# KiCad board Oblique Palette 0.5.4 PCB Main.kicad_pcb (continued)
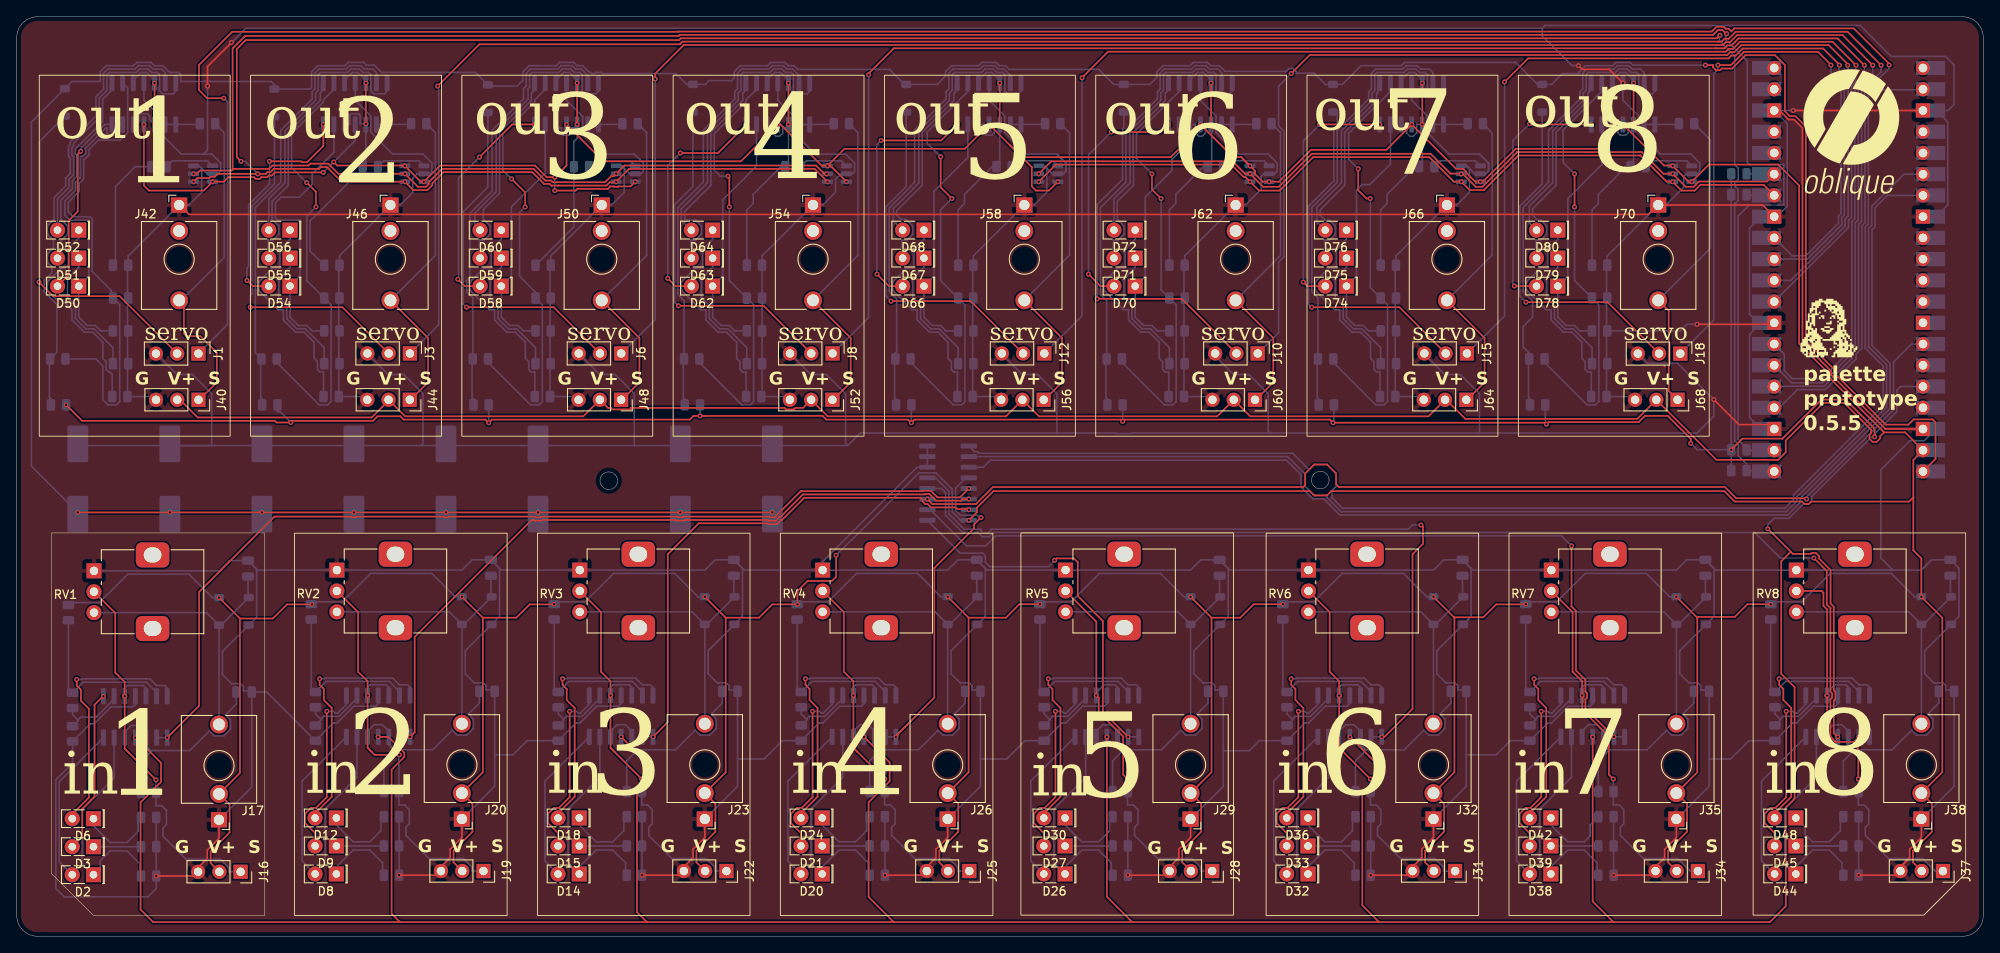
[diagram p0: board, top side]
## Routing (per net, layer and track width the routed paths; a pad name or vN(x,y) marks a point on that pad's centre or on a via; arc(x,y) is an arc through that point) (continued)
/Input 5/ANALOG_CHANNEL: length 46
  Top w0.2: v1(124.01,44.97) 124.25,45.21 126.34,45.21 126.8,44.75 126.8,40.7 129.8,37.7 129.8,26.87 v1(132.82,23.86)
  Bottom w0.2: v1(124.01,44.97) 124.01,44.92 123.3,44.21 116.29,44.21 115.75,44.75 115.75,45.52 115.43,45.83 112.75,45.83 U1.1 ; U7.1 v1(132.82,23.86)
/Input 6/ANALOG_CHANNEL: length 92.9
  Top w0.2: v1(163.11,23.86) 163.45,23.86 166.8,27.2 166.8,45.7 168.05,46.95 168.05,48.95 v1(167.8,49.2)
  Bottom w0.2: U1.5 109.8,54.84 111.4,53.24 111.4,50.52 113.21,48.7 115.2,48.7 115.2,48.55 115.55,48.2 116.05,48.2 116.4,48.55 116.4,48.7 166.3,48.7 166.8,49.2 v1(167.8,49.2) ; v1(163.11,23.86) U8.2
/Input 7/ANALOG_CHANNEL: length 105.8
  Top w0.2: v1(190.87,23.86) 187.46,27.26 187.46,28.36 187.66,28.56 187.66,29.05 187.46,29.25 187.46,30.67 186.33,31.81 186.33,38.93 185.8,39.46 v1(185.8,46.7)
  Bottom w0.2: v1(185.8,46.7) 184.6,47.9 117,47.9 115.8,46.7 113.49,46.7 109.17,51.03 ; U9.1 v1(190.87,23.86)
/Input 8/ANALOG_CHANNEL: length 138.9
  Top w0.2: v1(220.14,23.86) 219.54,23.25 217.35,23.25 216.73,23.87 216.73,28.36 216.93,28.56 216.93,29.05 216.73,29.25 216.73,39.23 216.75,39.25 216.3,39.7 216.3,43.7 v1(214.75,45.25)
  Bottom w0.2: U10.1 v1(220.14,23.86) ; v1(214.75,45.25) 210.75,45.25 207.7,48.3 116.71,48.3 116.21,47.8 115.38,47.8 114.88,48.3 113.04,48.3 111,50.35 111,53.07 110.5,53.57 U1.4
SCL_0: length 337.8
  Top w0.2: v1(96.8,91.2) 96.51,91.2 95.51,92.2 72.62,92.2 v1(71.63,91.21) 71.33,90.91 71.01,90.91 70.3,90.2 64.55,90.2 64.55,90.2 64.05,90.2 63.85,90.4 63.16,90.4 61.76,91.8 50.83,91.8 49.26,90.23 49.26,90.01 48.91,89.66 47.93,89.66 v1(46.38,91.21) 38.44,91.21 37.23,92.42 35.08,92.42 34.87,92.2 30.55,92.2 30.15,91.8 25.9,91.8 25.8,91.7 ; v1(21.13,91.21) 21.51,91.21 21.91,91.6 25.7,91.6 25.8,91.7 ; 25.8,91.7 25.8,106.2 25.9,106.3 25.9,106.3 27.2,107.6 27.2,107.6 27.3,107.7 79.1,107.7 79.22,107.82 202.72,107.82 203.3,108.4 203.83,108.4 204.19,108.04 204.25,108.04 v1(204.33,107.96)
  Bottom w0.2: v1(204.33,107.96) 204.25,107.96 204.22,107.94 204.22,107.28 206.8,104.7 206.8,92.58 207.07,92.31 211.17,92.31 211.17,87.47 207.03,87.47 205.7,86.14 205.7,59.46 206.1,59.05 206.1,58.99 206.8,58.29 ; U2.2 206.77,58.14
SCL_1: length 100.1
  Top w0.2: U2.15 209.14,90.29 201.03,90.29 200.41,89.66 199.43,89.66 v1(197.88,91.21) 196.79,91.21 194.18,93.82 193.85,93.82 193.83,93.8 179.3,93.8 175.16,89.66 174.34,89.66 172.8,91.2 ; v1(122.13,91.21) 123.62,92.7 145.3,92.7 146.8,91.2 147.3,91.2 ; v1(172.62,91.2) 172.62,91.23 171.34,91.23 168.96,93.6 154.76,93.6 150.82,89.66 148.93,89.66 v1(147.38,91.21)
  Bottom w0.2: 209.98,91.2 R1.1
SDA_0: length 332.1
  Top w0.2: v1(96.88,90.26) 95.34,91.8 73.17,91.8 v1(71.63,90.26) ; v1(26.8,92.7) 26.3,93.2 26.3,106.14 27.36,107.2 79.16,107.2 79.38,107.42 203.16,107.42 203.5,107.77 v1(203.52,107.77) ; 71.3,90.2 70.86,90.2 70.46,89.8 64.71,89.8 64.71,89.8 63.88,89.8 63.68,90 63,90 61.6,91.4 51,91.4 49.66,90.06 49.66,89.85 49.07,89.26 47.38,89.26 v1(46.38,90.26) 38.82,90.26 37.06,92.02 36.36,92.02 36.14,91.8 30.72,91.8 30.31,91.4 29.95,91.4 29.75,91.2 v1(28.8,91.2) 23.99,91.2 23.66,90.86 23.16,90.86 23,90.7 21.57,90.7 v1(21.13,90.26)
  Bottom w0.2: v1(26.8,92.7) 27.3,92.7 v1(28.8,91.2) ; 209.92,55.7 R9.2 206.71,56.51 205.7,57.52 205.7,58.89 205.38,59.2 205.3,59.2 205.3,87.7 205.38,87.7 205.7,88.02 205.7,89.39 205.38,89.7 205.3,89.7 205.3,90.2 205.38,90.2 205.7,90.52 205.7,91.89 205.38,92.2 205.3,92.2 205.3,105.3 203.47,107.12 203.47,107.71 v1(203.52,107.77)
SDA_1: length 100.8
  Top w0.2: v1(122.13,90.26) 124.17,92.3 145.13,92.3 146.63,90.8 146.84,90.8 v1(147.38,90.26) 148.44,89.2 150.93,89.2 150.99,89.26 150.99,89.26 154.93,93.2 168.8,93.2 171.74,90.26 v1(172.63,90.26) 173.63,89.26 175.32,89.26 179.46,93.4 194,93.4 194.01,93.42 197.17,90.26 v1(197.88,90.26) 198.94,89.2 200.51,89.2 201.2,89.89 208.75,89.89 U2.14
  Bottom w0.2: U2.14 206.79,88.62
SERVO_1: length 293.1
  Top w0.2: v1(223.75,104.21) 223.75,104.38 219.53,108.6 205.25,108.6 204.9,108.25 204.58,108.56 204.23,108.56 203.99,108.8 203.13,108.8 202.55,108.22 79.05,108.22 79.03,108.2 25.75,108.2 21.77,104.23 21.77,101.27 21.75,101.25 22.75,100.25 v1(24.75,100.25)
  Bottom w0.2: v1(24.75,100.25) 25.2,99.8 25.2,73.19 J1.1 ; v1(223.75,104.21) 223.75,103.82 220.86,100.93 220.86,85.36 220.5,84.99 220.5,70.34 219.8,69.64 219.8,69.07 216.13,65.4 212.8,65.4 210.62,63.22
SERVO_2: length 257.5
  Top w0.2: v1(50.3,101.7) 55.3,106.7 79.23,106.7 79.55,107.02 203.38,107.02 203.39,107.02 203.74,107.02 204.08,107.36 204.08,107.36 204.58,107.36 205.42,108.2 218.78,108.2 v1(222.8,104.19)
  Bottom w0.2: 46.99,69.7 50.42,73.14 50.42,101.58 v1(50.3,101.7) ; 210.06,65.8 215.96,65.8 219.3,69.14 219.3,69.7 220.1,70.5 220.1,85.16 220.46,85.53 220.46,101.1 222.8,103.43 v1(222.8,104.19)
SERVO_3: length 231.2
  Top w0.2: v1(76.3,102.55) 76.3,103.2 79.71,106.62 203.22,106.62 203.9,106.62 204.25,106.96 204.74,106.96 205.59,107.8 218.18,107.8 v1(221.8,104.19)
  Bottom w0.2: v1(76.3,102.55) 76.3,73.76 72.24,69.7 ; U2.6 212.12,66.2 215.8,66.2 218.8,69.2 218.8,69.77 219.7,70.67 219.7,85.33 220.06,85.69 220.06,101.26 221.8,103 v1(221.8,104.19)
SERVO_4: length 205.5
  Top w0.2: v1(220.8,104.19) 217.59,107.4 205.75,107.4 204.91,106.56 204.41,106.56 204.07,106.22 203.05,106.22 203.05,106.22 104.81,106.22 101.8,103.2 v1(101.8,103.05)
  Bottom w0.2: v1(101.8,103.05) 101.8,74.01 97.49,69.7 ; U2.7 211.23,69.63 211.23,67.66 212.18,66.7 215.73,66.7 218.4,69.37 218.4,69.94 219.3,70.84 219.3,85.49 219.66,85.85 219.66,101.43 220.8,102.57 v1(220.8,104.19)
SERVO_5: length 162.6
  Top w0.2: v1(219.8,104.19) 216.99,107 205.92,107 205.08,106.16 204.58,106.16 204.24,105.82 130.41,105.82 v1(127.3,102.7)
  Bottom w0.2: 219.26,86.02 219.26,101.76 219.75,102.25 219.75,104.14 v1(219.8,104.19) ; v1(127.3,102.7) 127.3,74.2 122.8,69.7 ; U2.9 218.9,84.8 218.9,85.66 219.26,86.02
SERVO_6: length 135.2
  Top w0.2: 218.8,104.2 218.75,104.25 218.75,104.38 216.54,106.6 206.08,106.6 205.24,105.76 204.74,105.76 204.4,105.42 154.51,105.42 v1(152.3,103.2)
  Bottom w0.2: v1(152.3,103.2) 150.8,101.7 150.8,96.93 151.42,96.31 151.42,81.27 150.8,80.65 150.8,72.2 148.3,69.7 ; U2.10 211.99,78.46 218.5,84.97 218.5,85.82 218.86,86.19 218.86,104.13 v1(218.8,104.19)
SERVO_7: length 106.2
  Top w0.2: v1(217.8,104.2) 217.8,104.27 215.87,106.2 206.25,106.2 205.41,105.36 204.91,105.36 204.57,105.02 180.61,105.02 v1(177.8,102.2)
  Bottom w0.2: 173.3,69.7 177.8,74.2 v1(177.8,102.2) ; v1(217.8,104.2) 217.75,104.16 217.75,102.25 218.4,101.6 218.4,86.29 218.09,85.99 218.09,85.14 213.96,81 U2.11
SERVO_8: length 80.9
  Top w0.2: v1(216.8,104.2) 216.8,104.25 215.25,105.8 206.42,105.8 204.82,104.2 203.3,104.2 v1(203.3,104.2)
  Bottom w0.2: U2.12 212.16,81.4 213.8,81.4 217.69,85.3 217.69,86.16 218,86.46 218,101.25 216.8,102.45 v1(216.8,104.2) ; J18.1 202.8,73.7 202.8,103.2 203.3,103.7 v1(203.3,104.2)
Vser: length 427.7
  Top w0.2: U2.40 229.3,57.1 229.3,61.48 228.95,61.83 226.68,61.83 226.05,61.2 223.36,61.2 217.2,67.37 217.2,67.8 213.8,71.2 213.8,96.87 212.56,98.1 211.9,98.1 211.3,98.7 211.3,104.21 210.11,105.4 206.58,105.4 204.99,103.8 203.75,103.8 203.55,103.6 203.05,103.6 202.7,103.95 202.7,104.2 v1(201.8,104.2) ; v1(7.3,50.7) v1(90.3,50.7)
  Bottom w0.2: D77.2 181.75,101.9 179.11,104.54 165.86,104.54 165.46,104.14 160.64,104.14 158.4,101.9 D73.2 156.39,101.9 155.04,103.25 152.9,103.25 152.9,103.45 152.55,103.8 152.05,103.8 151.7,103.45 151.68,103.47 144.39,103.47 143.71,104.14 142.69,104.14 142.29,104.54 140.61,104.54 140.21,104.14 136.96,104.14 136.23,103.41 136.23,102.73 135.4,101.9 D65.2 131.1,101.9 129.3,103.7 118.58,103.7 118.14,104.14 117.44,104.14 117.04,104.54 115.36,104.54 114.96,104.14 111.71,104.14 110.99,103.41 110.99,102.89 109.99,101.9 106.1,101.9 104.3,103.7 93.33,103.7 92.89,104.14 92.19,104.14 91.79,104.54 90.11,104.54 89.71,104.14 86.46,104.14 85.74,103.41 85.74,102.64 85.45,102.35 82.75,102.35 82.3,101.9 D61.2 80.05,101.9 78.75,103.2 69.98,103.2 69.85,103.34 69.17,103.34 69.03,103.2 68.71,103.2 68.58,103.34 68.44,103.34 67.64,104.14 66.94,104.14 66.54,104.54 64.86,104.54 64.46,104.14 62.23,104.14 61.21,104.14 60.49,103.41 60.49,102.39 59.8,101.7 56.95,101.7 56.8,101.85 ; 182.34,101.9 183.4,101.9 184.7,103.2 186.73,103.2 186.73,103.41 187.46,104.14 190.71,104.14 191.11,104.54 192.79,104.54 193.12,104.2 v1(201.8,104.2) ; v1(7.3,50.7) 1.75,56.25 1.75,97.4 D1.2 6.6,102.25 9.98,102.25 9.98,103.41 10.71,104.14 13.96,104.14 14.36,104.54 16.04,104.54 16.44,104.14 17.46,104.14 18.27,103.34 19.35,103.34 19.61,103.08 19.61,102.25 22.49,102.25 22.55,102.3 23.05,102.3 23.1,102.25 30.4,102.25 31.3,101.35 35.06,101.35 35.23,101.52 35.23,103.41 35.96,104.14 39.21,104.14 39.61,104.54 41.46,104.54 41.8,104.2 42.74,104.2 43.6,103.34 54.81,103.34 56.37,101.78
  vias: v1(18.3,50.7) v1(29.3,50.7) v1(40.3,50.7) v1(51.3,50.7) v1(62.3,50.7) v1(79.3,50.7)
Net-(D1-K): length 41.2
  Top w0.2: J1.2 12.3,76.57 4.34,76.57 v1(2.66,78.25)
  Bottom w0.2: D1.1 2.75,95.1 2.75,78.25 v1(2.66,78.25)
Net-(D2-A): length 19.2
  Bottom w0.2: U3.7 5.07,18.48 5.07,8.92 D2.2
Net-(D2-K): length 26.5
  Bottom w0.2: D2.1 7.83,8.7 7.83,15.13 11.63,18.93 U3.6 ; 14.7,7.37 14.7,8.69 13.17,10.22 11.17,10.22 9.98,9.02 9.98,8.17
Net-(D3-A): length 19.5
  Top w0.2: 10.3,28.7 9.3,27.7 9.3,16.71 7.83,15.24 7.83,11.92 D3.2
  vias: v1(10.36,28.72)
Net-(D3-K): length 5.9
  Bottom w0.2: 14.85,10.22 14.35,10.72 D3.1
Net-(D4-A): length 34.6
  Bottom w0.2: J17.T D4.2 22.67,38.72 RV1.3 ; C9.1 27.64,40.59 ; 24.42,37.22 D5.1
Net-(D6-A): length 30.5
  Top w0.2: v1(7.17,30.72) 7.17,29.99 7.67,29.49 7.67,28.17 8.62,27.22 8.62,16.6 6.89,14.87 6.63,14.87 D6.2
  Bottom w0.2: v1(7.17,30.72) 7.69,30.72 7.77,30.79 15.9,30.79 16.71,29.99 17.68,29.99 17.98,29.69 U3.14
Net-(D6-K): length 9.1
  Bottom w0.2: 14.5,14.07 14.5,12.54 13.17,11.22 11.17,11.22 9.17,13.22 D6.1
Net-(D8-A): length 19.2
  Bottom w0.2: D8.2 34.1,9.01 34.1,18.57 U4.7
Net-(D8-K): length 27.7
  Bottom w0.2: U4.6 40.66,19.02 36.86,15.22 36.86,8.79 D8.1 38.2,8.31 40.2,10.31 42.2,10.31 43.72,8.78 43.72,7.46
Net-(D9-A): length 21.9
  Top w0.2: D9.2 35.66,12.35 34.46,13.55 34.46,14.65 35.16,15.36 35.75,15.36 37.05,16.66 v1(37.05,26.91)
  Bottom w0.2: v1(37.05,26.91) 37.83,26.91 38.03,26.71 38.34,26.71 39.39,27.76 U4.8
Net-(D9-K): length 5.9
  Bottom w0.2: 43.87,10.31 43.37,10.81 D9.1
Net-(D10-A): length 34.6
  Bottom w0.2: C10.1 56.67,40.68 ; 53.45,37.31 D11.1 ; RV2.3 51.7,38.81 D10.2 J20.T
Net-(D12-A): length 30.5
  Top w0.2: D12.2 35.66,14.96 35.92,14.96 37.65,16.69 37.65,27.31 36.7,28.26 36.7,29.58 36.2,30.08 v1(36.2,30.81)
  Bottom w0.2: v1(36.2,30.81) 36.72,30.81 36.8,30.88 44.93,30.88 45.73,30.08 46.71,30.08 47.01,29.78 U4.14
Net-(D12-K): length 9.1
  Bottom w0.2: D12.1 38.2,13.31 40.2,11.31 42.2,11.31 43.52,12.63 43.52,14.16
Net-(D14-A): length 19.2
  Bottom w0.2: D14.2 63.12,9.01 63.12,18.57 U5.7
Net-(D14-K): length 27.7
  Bottom w0.2: U5.6 69.68,19.02 65.88,15.22 65.88,8.79 D14.1 67.22,8.31 69.22,10.31 71.23,10.31 72.75,8.78 72.75,7.46
Net-(D15-A): length 21.9
  Top w0.2: v1(66.07,26.91) 66.07,16.66 64.77,15.36 64.19,15.36 63.48,14.65 63.48,13.55 64.68,12.35 D15.2
  Bottom w0.2: U5.8 68.41,27.76 67.36,26.71 67.06,26.71 66.86,26.91 v1(66.07,26.91)
Net-(D15-K): length 5.9
  Bottom w0.2: 72.9,10.31 72.4,10.81 D15.1
Net-(D16-A): length 34.6
  Bottom w0.2: J23.T D16.2 80.72,38.81 RV3.3 ; 82.47,37.31 D17.1 ; C11.1 85.69,40.68
Net-(D18-A): length 30.5
  Top w0.2: v1(65.22,30.81) 65.22,30.08 65.72,29.58 65.72,28.26 66.67,27.31 66.67,16.69 64.94,14.96 64.68,14.96 D18.2
  Bottom w0.2: U5.14 76.03,29.78 75.73,30.08 74.76,30.08 73.96,30.88 65.82,30.88 65.74,30.81 v1(65.22,30.81)
Net-(D18-K): length 9.1
  Bottom w0.2: D18.1 67.22,13.31 69.22,11.31 71.22,11.31 72.55,12.63 72.55,14.16
Net-(D20-A): length 19.2
  Bottom w0.2: U6.7 92.15,18.57 92.15,9.01 D20.2
Net-(D20-K): length 27.7
  Bottom w0.2: 101.77,7.46 101.77,8.78 100.25,10.31 98.25,10.31 96.25,8.31 D20.1 94.91,8.79 94.91,15.22 98.71,19.02 U6.6
Net-(D21-A): length 21.9
  Top w0.2: v1(95.1,26.91) 95.1,16.66 93.8,15.36 93.21,15.36 92.51,14.65 92.51,13.55 93.71,12.35 D21.2
  Bottom w0.2: U6.8 97.44,27.76 96.39,26.71 96.08,26.71 95.88,26.91 v1(95.1,26.91)
Net-(D21-K): length 5.9
  Bottom w0.2: 101.92,10.31 101.42,10.81 D21.1
Net-(D22-A): length 34.6
  Bottom w0.2: RV4.3 109.75,38.81 D22.2 J26.T ; C12.1 114.72,40.68 ; 111.5,37.31 D23.1
Net-(D24-A): length 30.5
  Top w0.2: D24.2 93.71,14.96 93.97,14.96 95.7,16.69 95.7,27.31 94.75,28.26 94.75,29.58 94.25,30.08 v1(94.25,30.81)
  Bottom w0.2: v1(94.25,30.81) 94.77,30.81 94.85,30.88 102.98,30.88 103.78,30.08 104.76,30.08 105.06,29.78 U6.14
Net-(D24-K): length 9.1
  Bottom w0.2: D24.1 96.25,13.31 98.25,11.31 100.25,11.31 101.57,12.63 101.57,14.16
Net-(D26-A): length 19.2
  Bottom w0.2: U7.7 121.18,18.57 121.18,9.01 D26.2
Net-(D26-K): length 27.7
  Bottom w0.2: 130.8,7.46 130.8,8.78 129.28,10.31 127.28,10.31 125.28,8.31 D26.1 123.94,8.79 123.94,15.22 127.74,19.02 U7.6
Net-(D27-A): length 21.9
  Top w0.2: v1(124.13,26.91) 124.13,16.66 122.83,15.36 122.24,15.36 121.53,14.65 121.53,13.55 122.74,12.35 D27.2
  Bottom w0.2: U7.8 126.47,27.76 125.42,26.71 125.11,26.71 124.91,26.91 v1(124.13,26.91)
Net-(D27-K): length 5.9
  Bottom w0.2: 130.95,10.31 130.45,10.81 D27.1
Net-(D28-A): length 34.6
  Bottom w0.2: C13.1 143.75,40.68 ; 140.53,37.31 D29.1 ; J29.T D28.2 138.78,38.81 RV5.3
Net-(D30-A): length 30.5
  Top w0.2: v1(123.28,30.81) 123.28,30.08 123.78,29.58 123.78,28.26 124.73,27.31 124.73,16.69 122.99,14.96 122.74,14.96 D30.2
  Bottom w0.2: v1(123.28,30.81) 123.8,30.81 123.87,30.88 132.01,30.88 132.81,30.08 133.78,30.08 134.09,29.78 U7.14
Net-(D30-K): length 9.1
  Bottom w0.2: D30.1 125.28,13.31 127.28,11.31 129.28,11.31 130.6,12.63 130.6,14.16
Net-(D32-A): length 19.2
  Bottom w0.2: D32.2 150.2,9.01 150.2,18.57 U8.7
Net-(D32-K): length 27.7
  Bottom w0.2: U8.6 156.76,19.02 152.96,15.22 152.96,8.79 D32.1 154.3,8.31 156.3,10.31 158.3,10.31 159.83,8.78 159.83,7.46
Net-(D33-A): length 21.9
  Top w0.2: v1(153.15,26.91) 153.15,16.66 151.85,15.36 151.26,15.36 150.56,14.65 150.56,13.55 151.76,12.35 D33.2
  Bottom w0.2: U8.8 155.49,27.76 154.44,26.71 154.13,26.71 153.94,26.91 v1(153.15,26.91)
Net-(D33-K): length 5.9
  Bottom w0.2: D33.1 159.48,10.81 159.98,10.31
Net-(D34-A): length 34.6
  Bottom w0.2: J32.T D34.2 167.8,38.81 RV6.3 ; 169.55,37.31 D35.1 ; C14.1 172.77,40.68
Net-(D36-A): length 30.5
  Top w0.2: v1(152.3,30.81) 152.3,30.08 152.8,29.58 152.8,28.26 153.75,27.31 153.75,16.69 152.02,14.96 151.76,14.96 D36.2
  Bottom w0.2: v1(152.3,30.81) 152.82,30.81 152.9,30.88 161.03,30.88 161.84,30.08 162.81,30.08 163.11,29.78 U8.14
Net-(D36-K): length 9.1
  Bottom w0.2: D36.1 154.3,13.31 156.3,11.31 158.3,11.31 159.63,12.63 159.63,14.16
Net-(D38-A): length 19.2
  Bottom w0.2: U9.7 179.23,18.57 179.23,9.01 D38.2
Net-(D38-K): length 27.7
  Bottom w0.2: U9.6 185.79,19.02 181.99,15.22 181.99,8.79 D38.1 183.33,8.31 185.33,10.31 187.33,10.31 188.85,8.78 188.85,7.46
Net-(D39-A): length 21.9
  Top w0.2: v1(182.18,26.91) 182.18,16.66 180.88,15.36 180.29,15.36 179.59,14.65 179.59,13.55 180.79,12.35 D39.2
  Bottom w0.2: U9.8 184.52,27.76 183.47,26.71 183.16,26.71 182.96,26.91 v1(182.18,26.91)
Net-(D39-K): length 5.9
  Bottom w0.2: D39.1 188.5,10.81 189,10.31
Net-(D40-A): length 34.6
  Bottom w0.2: C15.1 201.8,40.68 ; RV7.3 196.83,38.81 D40.2 J35.T ; 198.58,37.31 D41.1
Net-(D42-A): length 30.5
  Top w0.2: D42.2 180.79,14.96 181.04,14.96 182.78,16.69 182.78,27.31 181.83,28.26 181.83,29.58 181.33,30.08 v1(181.33,30.81)
  Bottom w0.2: v1(181.33,30.81) 181.85,30.81 181.93,30.88 190.06,30.88 190.86,30.08 191.84,30.08 192.14,29.78 U9.14
Net-(D42-K): length 9.4
  Bottom w0.2: D42.1 183.33,13.31 185.33,11.31 187.33,11.31 188.01,11.99 188.01,13.31 R55.1
Net-(D44-A): length 19.2
  Bottom w0.2: D44.2 208.5,9.01 208.5,18.57 U10.7
Net-(D44-K): length 27.7
  Bottom w0.2: 218.13,7.46 218.13,8.78 216.61,10.31 214.6,10.31 212.6,8.31 D44.1 211.26,8.79 211.26,15.22 215.06,19.02 U10.6
Net-(D45-A): length 21.9
  Top w0.2: v1(211.45,26.91) 211.45,16.66 210.15,15.36 209.57,15.36 208.86,14.65 208.86,13.55 210.06,12.35 D45.2
  Bottom w0.2: v1(211.45,26.91) 212.24,26.91 212.44,26.71 212.74,26.71 213.79,27.76 U10.8
Net-(D45-K): length 11.6
  Bottom w0.2: 218.28,10.31 217.78,10.81 D45.1 R61.1
Net-(D46-A): length 34.6
  Bottom w0.2: C16.1 231.07,40.68 ; J38.T D46.2 226.1,38.81 RV8.3 ; 227.85,37.31 D47.1
Net-(D48-A): length 30.5
  Top w0.2: D48.2 210.06,14.96 210.32,14.96 212.05,16.69 212.05,27.31 211.1,28.26 211.1,29.58 210.6,30.08 v1(210.6,30.81)
  Bottom w0.2: U10.14 221.41,29.78 221.11,30.08 220.14,30.08 219.34,30.88 211.2,30.88 211.12,30.81 v1(210.6,30.81)
Net-(D48-K): length 9.1
  Bottom w0.2: D48.1 213.7,13.05 213.7,12.2 214.6,11.31 216.6,11.31 217.93,12.63 217.93,14.16
Net-(D50-A): length 22.6
  Top w0.2: v1(7.64,93.9) 7.3,93.56 7.3,86.7 6.21,85.61 6.21,79.11 D50.2
  Bottom w0.2: U12.7 10.5,97.11 7.64,94.25 v1(7.64,93.9)
Net-(D50-K): length 36.5
  Bottom w0.2: U12.6 11.99,97.11 11.99,96.1 11.73,95.84 11.05,95.84 10.79,96.1 10.79,96.71 10.67,96.71 8.18,94.22 8.24,94.15 8.24,93.65 7.89,93.3 7.6,93.3 7.6,90.77 7.05,90.21 7.05,89.25 5.75,87.95 5.75,86.25 6.33,85.67 8.61,85.67 8.61,78.97 D50.1 7.41,74.06 8.41,73.06 9.41,73.06 10.05,72.42 R73.1
Net-(D51-A): length 24.2
  Bottom w0.2: D51.2 4.87,82.77 6.07,83.98 6.07,84.97 5.36,85.67 5.27,85.67 5.27,88.04 6.65,89.42 6.65,90.38 7.2,90.93 7.2,93.43 6.99,93.63 6.99,94.17 7.2,94.38 10.27,97.45 10.27,100.11 11.19,101.03 11.19,101.86
Net-(D51-K): length 16
  Bottom w0.2: D51.1 7.41,80.02 6.07,78.68 6.07,76.4 7.01,75.46 7.01,73.9 8.24,72.66 9.24,72.66 11.49,70.41 R74.1
Net-(D52-A): length 33.2
  Bottom w0.2: U12.14 19.01,101.09 18.71,100.79 17.4,100.79 17.07,101.12 17.07,103.08 16.81,103.34 16.1,103.34 15.7,103.74 14.69,103.74 14.29,103.34 11.05,103.34 10.79,103.08 10.79,101.19 9.87,100.27 9.87,97.93 6.8,94.86 6.8,94.54 6.59,94.34 6.59,93.47 6.8,93.26 6.8,91.1 6.25,90.55 6.25,89.58 4.87,88.2 D52.2
Net-(D52-K): length 26
  Bottom w0.2: D52.1 7.41,83.53 6.21,82.32 6.21,80.34 5.8,79.93 5.32,79.93 3.67,78.27 3.67,77.28 4.72,76.22 5.32,76.22 6.61,74.93 6.61,73.73 8.08,72.26 9.08,72.26 10.28,71.06 10.28,69.14 10.68,68.74 10.68,67.81 11,67.49 11.17,67.49 11.41,67.25 R75.1
Net-(D53-K): length 42.8
  Top w0.2: v1(27.91,75.25) 38.92,75.25 J3.2
  Bottom w0.2: D53.1 30.8,90.02 28.11,87.34 28.11,76.81 27.91,76.61 v1(27.91,75.25)
Net-(D54-A): length 28.1
  Top w0.2: v1(30.2,92.7) 33.98,92.7 34.08,92.61 34.7,92.61 36.64,94.54 v1(36.64,97.11) ; D54.2 28.23,77.77 27.55,78.45 v1(27.51,78.45)
  Bottom w0.2: v1(27.51,78.45) 27.51,79.92 27.71,80.12 27.71,87.5 30.2,89.99 v1(30.2,92.7)
Net-(D54-K): length 35.3
  Bottom w0.2: U14.6 37.91,93.79 35.31,91.19 35.31,89.95 33.76,88.41 31.59,88.41 30.92,87.74 30.92,85.94 31.18,85.67 33.86,85.67 33.86,78.97 D54.1 32.66,74.06 33.66,73.06 34.66,73.06 35.3,72.42 R84.1
Net-(D55-A): length 24.5
  Bottom w0.2: 36.44,101.86 36.44,101.03 36.26,100.84 36.26,99.98 32.45,96.17 32.45,89.83 30.52,87.9 30.52,85.67 30.61,85.67 31.32,84.97 31.32,83.98 30.61,83.27 30.05,83.27 30.05,82.47 30.12,82.4 D55.2
Net-(D55-K): length 16
  Bottom w0.2: D55.1 32.66,80.02 31.32,78.68 31.32,76.4 32.26,75.46 32.26,73.9 33.49,72.66 34.49,72.66 36.74,70.41 R85.1
Net-(D56-A): length 33
  Bottom w0.2: D56.2 30.12,88.2 32.05,90.13 32.05,96.34 35.71,100 35.71,100.86 36.04,101.19 36.04,103.08 36.3,103.34 39.54,103.34 39.94,103.74 40.95,103.74 41.35,103.34 42.06,103.34 42.32,103.08 42.32,101.12 42.65,100.79 43.96,100.79 44.26,101.09 U14.14
Net-(D56-K): length 26.4
  Bottom w0.2: D56.1 32.66,83.37 31.61,82.32 31.46,82.32 31.46,79.93 30.57,79.93 28.92,78.27 28.92,77.28 31.26,74.93 31.86,74.93 31.86,73.73 33.33,72.26 34.33,72.26 35.53,71.06 35.53,69.14 35.93,68.74 35.93,67.81 36.25,67.49 36.66,67.49 R86.1
Net-(D57-K): length 42.9
  Top w0.2: v1(53.75,75.25) 64.17,75.25 69.7,69.72
  Bottom w0.2: D57.1 56.3,89.61 53.36,86.68 53.36,75.64 v1(53.75,75.25)
Net-(D58-A): length 26.9
  Top w0.2: v1(55.3,93.2) 59.21,97.11 v1(61.89,97.11) ; D58.2 53.54,77.77 v1(52.71,78.6)
  Bottom w0.2: v1(52.71,78.6) 52.8,78.68 52.8,90.7 v1(55.3,93.2)
Net-(D58-K): length 30
  Bottom w0.2: U16.6 63.16,91.3 59.11,87.25 59.11,78.97 D58.1 57.91,74.06 58.91,73.06 59.91,73.06 60.55,72.42 R95.1
Net-(D59-A): length 24.5
  Bottom w0.2: D59.2 55.37,82.4 55.3,82.47 55.3,83.27 55.86,83.27 56.57,83.98 56.57,84.97 55.86,85.67 55.77,85.67 55.77,86.96 57.7,88.89 57.7,96.17 61.51,99.98 61.51,100.84 61.69,101.03 61.69,101.86
Net-(D59-K): length 16
  Bottom w0.2: R96.1 61.99,70.41 59.74,72.66 58.74,72.66 57.51,73.9 57.51,75.46 56.57,76.4 56.57,78.68 57.91,80.02 D59.1
Net-(D60-A): length 33.5
  Bottom w0.2: U16.14 69.51,101.09 69.21,100.79 67.9,100.79 67.57,101.12 67.57,103.08 67.31,103.34 66.6,103.34 66.2,103.74 65.19,103.74 64.79,103.34 61.55,103.34 61.29,103.08 61.29,101.56 61.11,101.38 61.11,100.15 57.3,96.34 57.3,89.05 57.2,88.95 57.2,88.95 55.37,87.12 54.75,86.5 54.75,85.09 D60.2
Net-(D60-K): length 26.4
  Bottom w0.2: D60.1 57.91,83.37 56.86,82.32 56.71,82.32 56.71,79.93 55.82,79.93 54.17,78.27 54.17,77.28 56.51,74.93 57.11,74.93 57.11,73.73 58.58,72.26 59.58,72.26 60.78,71.06 60.78,69.14 61.18,68.74 61.18,67.81 61.5,67.49 61.91,67.49 61.91,64.56
Net-(D61-K): length 43
  Top w0.2: v1(79.08,75.42) 89.25,75.42 J8.2
  Bottom w0.2: v1(79.08,75.42) 78.61,75.88 78.61,87.52 80.8,89.7 80.8,99.05
Net-(D62-A): length 28.3
  Top w0.2: v1(77.8,78.7) 78.73,77.77 80.62,77.77 ; v1(79.3,93.7) 83.8,93.7 87.3,97.2
  Bottom w0.2: v1(77.8,78.7) 77.8,92.2 v1(79.3,93.7)
  vias: v1(87.14,97.11)
Net-(D62-K): length 30
  Bottom w0.2: U18.6 88.41,92.13 84.36,88.08 84.36,78.97 D62.1 83.16,74.06 84.16,73.06 85.16,73.06 85.8,72.42 R106.1
Net-(D63-A): length 26.1
  Bottom w0.2: 80.62,81.12 80.62,82.4 80.55,82.47 80.55,83.27 81.11,83.27 81.82,83.98 81.82,84.97 81.11,85.67 79.98,85.67 79.82,85.84 79.82,86.7 82.95,89.83 82.95,96.17 86.76,99.98 86.76,100.84 86.94,101.03 86.94,101.86
Net-(D63-K): length 16
  Bottom w0.2: D63.1 83.16,80.02 81.82,78.68 81.82,76.4 82.76,75.46 82.76,73.9 83.99,72.66 84.99,72.66 87.24,70.41 R107.1
Net-(D64-A): length 34
  Bottom w0.2: U18.14 94.76,101.09 94.46,100.79 93.15,100.79 92.82,101.12 92.82,103.08 92.56,103.34 91.85,103.34 91.45,103.74 90.44,103.74 90.04,103.34 86.8,103.34 86.54,103.08 86.54,102.31 86.54,102.31 86.54,101.19 86.21,100.86 86.21,100 82.55,96.34 82.55,90.13 79.42,87 79.42,85.67 80.62,84.47
Net-(D64-K): length 26.4
  Bottom w0.2: D64.1 83.16,83.37 82.11,82.32 81.96,82.32 81.96,79.93 81.07,79.93 79.42,78.27 79.42,77.28 81.76,74.93 82.36,74.93 82.36,73.73 83.83,72.26 84.83,72.26 86.03,71.06 86.03,69.14 86.43,68.74 86.43,67.81 86.75,67.49 87.16,67.49 R108.1
Net-(D65-K): length 45.7
  Top w0.2: J10.2 139.23,76.25 v1(129.11,76.25)
  Bottom w0.2: J10.2 145,70.48 144.98,70.48 145.76,69.7 ; v1(129.11,76.25) 129.11,87.52 132.15,90.55 132.15,96.57 132.3,96.72 132.3,99.05
Net-(D66-A): length 29.8
  Top w0.2: v1(103.3,95.2) 110.48,95.2 v1(112.39,97.11) ; D66.2 104.23,77.77 v1(102.8,79.2)
  Bottom w0.2: v1(102.8,79.2) 102.8,94.7 v1(103.3,95.2)
Net-(D66-K): length 30
  Bottom w0.2: U20.6 113.66,93.16 109.61,89.11 109.61,78.97 D66.1 108.41,74.06 109.41,73.06 110.41,73.06 111.05,72.42 R117.1
Net-(D67-A): length 25.7
  Bottom w0.2: D67.2 105.87,82.4 105.8,82.47 105.8,83.27 106.36,83.27 107.07,83.98 107.07,84.97 106.27,85.77 105.69,85.77 105.15,86.3 105.15,86.79 108.2,89.83 108.2,96.17 112.01,99.98 112.01,100.84 112.19,101.03 112.19,101.86
Net-(D67-K): length 16
  Bottom w0.2: R118.1 112.49,70.41 110.24,72.66 109.24,72.66 108.01,73.9 108.01,75.46 107.07,76.4 107.07,78.68 108.41,80.02 D67.1
Net-(D68-A): length 34
  Bottom w0.2: D68.2 104.75,85.59 104.75,87.02 107.1,89.37 107.1,89.43 107.8,90.13 107.8,96.34 111.46,100 111.46,100.86 111.79,101.19 111.79,103.08 112.05,103.34 115.29,103.34 115.69,103.74 116.7,103.74 117.11,103.34 117.81,103.34 118.07,103.08 118.07,101.12 118.4,100.79 119.71,100.79 120.01,101.09 U20.14
Net-(D68-K): length 26.4
  Bottom w0.2: R119.1 112.41,67.49 112,67.49 111.68,67.81 111.68,68.74 111.28,69.14 111.28,71.06 110.08,72.26 109.08,72.26 107.61,73.73 107.61,74.93 107.01,74.93 104.67,77.28 104.67,78.27 106.32,79.93 107.21,79.93 107.21,82.32 107.36,82.32 108.41,83.37 D68.1
Net-(D69-K): length 42.7
  Top w0.2: v1(104.48,75.98) 114,75.98 J12.2
  Bottom w0.2: v1(104.48,75.98) 103.86,76.59 103.86,87.27 106.3,89.7 106.3,99.05
Net-(D70-A): length 29